# KiCad board Skayboard.kicad_pcb (continued)
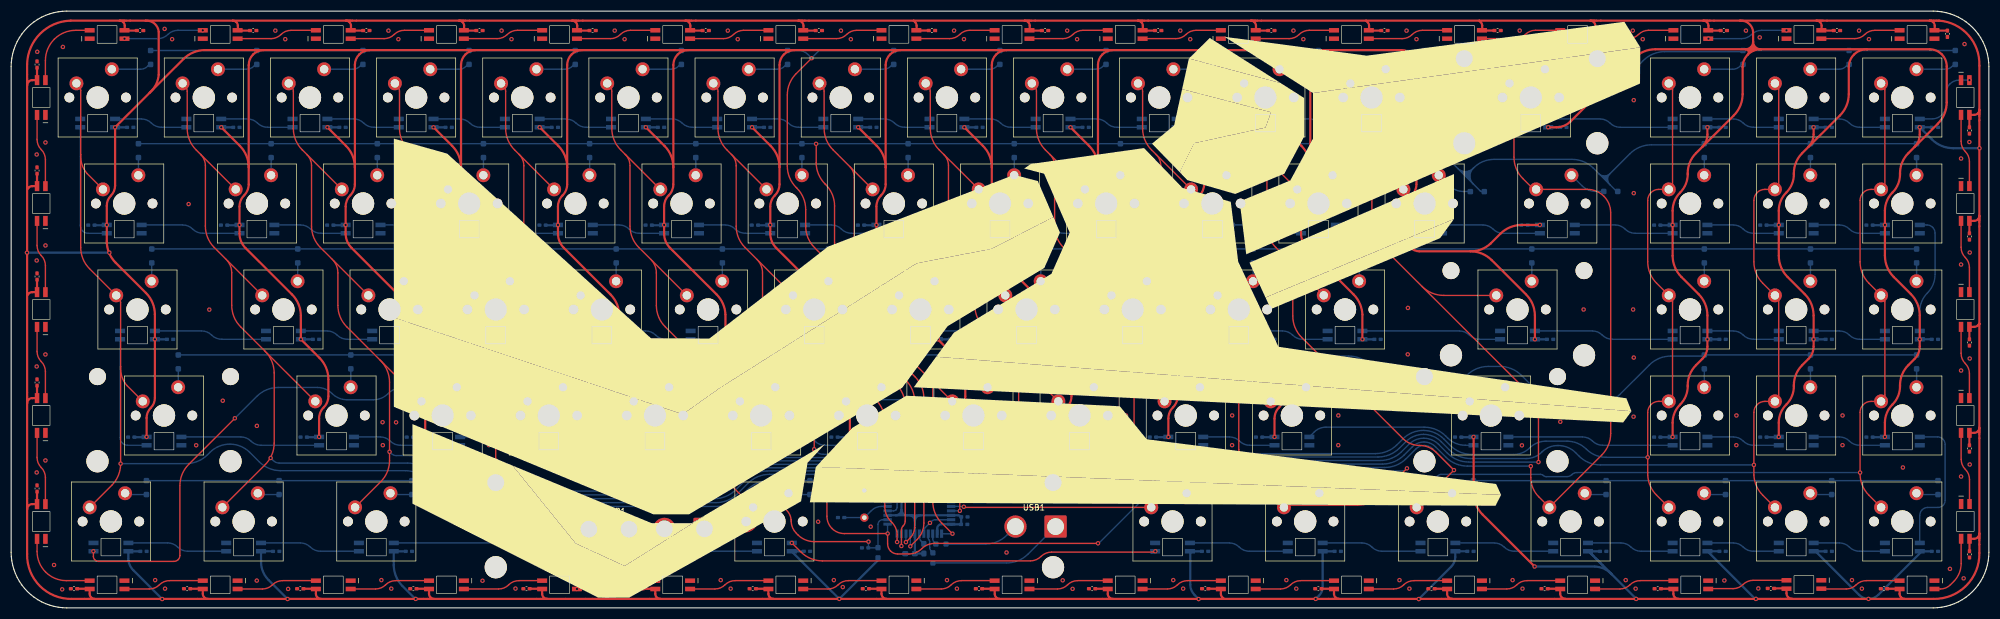
[diagram p0: board, top side]
## Routing (per net, layer and track width the routed paths; a pad name or vN(x,y) marks a point on that pad's centre or on a via; arc(x,y) is an arc through that point) (continued)
  Bottom w0.4: 174.7,68.77 172.07,68.77 arc(172.06,68.78) 172.05,68.78 172.05,68.79 ; v1(273.39,7.43) 273.41,7.44 arc(273.41,7.45) 273.42,7.46 ; v1(273.39,7.43) 284.21,7.43 arc(285.76,7.08) 287.19,6.07 ; v1(273.39,7.43) 273.38,7.44 arc(273.37,7.45) 273.35,7.46 ; 244.72,48.26 242.12,48.26 ; 162.21,9.77 C3.1 ; 162.21,9.77 arc(162.19,9.77) 162.18,9.76 ; 162.21,9.77 arc(162.19,9.77) 162.18,9.76 ; 20.66,10.17 20.66,10.17 arc(20.67,10.17) 20.67,10.16 23.27,10.16 ; 333.97,68.79 333.98,68.78 arc(333.98,68.78) 333.99,68.78 336.63,68.78 ; 206.62,48.26 204.02,48.26 ; 211.39,10.16 211.17,10.16 arc(211.17,10.17) 211.16,10.17 211.16,10.17 ; 211.39,10.16 211.81,10.16 ; 211.39,10.16 arc(211.54,10.1) 211.6,9.95 ; 74.69,30.67 72.05,30.67 arc(72.05,30.68) 72.04,30.68 72.03,30.69 ; 342.6,10.14 342.6,10.12 arc(342.59,10.09) 342.57,10.06 ; 342.6,10.14 arc(342.61,10.16) 342.62,10.16 ; 342.6,10.14 arc(342.59,10.16) 342.58,10.16 ; 168.52,48.26 165.92,48.26 ; 342.13,86.38 342.13,86.37 arc(342.14,86.37) 342.14,86.37 ; 57.75,68.79 57.75,68.78 arc(57.76,68.78) 57.77,68.77 60.4,68.77 ; 272.06,68.79 272.06,68.78 arc(272.07,68.78) 272.08,68.77 274.71,68.77 ; 295.87,68.79 295.88,68.78 arc(295.88,68.78) 295.89,68.77 298.53,68.77 ; 283.1,10.16 285.2,10.16 ; 283.1,10.16 283.1,10.16 ; 283.1,10.16 arc(283.1,10.16) 283.1,10.16 ; 47.08,10.16 47.07,10.17 arc(47.07,10.17) 47.06,10.17 44.47,10.17 ; 336.63,30.67 333.99,30.67 arc(333.98,30.68) 333.98,30.68 333.97,30.69 ; 167.28,30.69 167.29,30.68 arc(167.3,30.68) 167.3,30.67 169.94,30.67 ; 278.06,86.37 275.47,86.37 arc(275.46,86.37) 275.46,86.37 275.45,86.38 ; 273.07,48.27 273.07,48.27 arc(273.08,48.27) 273.09,48.26 275.68,48.26 ; 342.58,10.16 342.14,10.16 ; 342.58,10.16 342.62,10.16 ; 260.15,30.69 260.16,30.68 arc(260.16,30.68) 260.17,30.67 262.81,30.67 ; 231.85,68.77 229.22,68.77 arc(229.21,68.78) 229.2,68.78 229.2,68.79 ; 208.04,30.67 205.4,30.67 arc(205.4,30.68) 205.39,30.68 205.38,30.69 ; 306.64,86.37 304.04,86.37 arc(304.04,86.37) 304.03,86.37 304.03,86.38 ; 234.97,10.17 235.33,10.17 arc(235.34,10.17) 235.35,10.17 235.35,10.17 ; 18.28,86.38 18.28,86.37 arc(18.29,86.37) 18.29,86.37 20.89,86.37 ; 73.27,48.26 70.67,48.26 ; 168.43,23.04 160.63,23.04 ; 160.81,16.64 U1.42 169.99,16.64 arc(170.18,16.6) 170.35,16.49 C128.1 170.49,15.04 C127.1 168.74,15 arc(168.72,15.01) 168.7,15.02 arc(168.68,15.03) 168.65,15.04 166.98,15.04 arc(166.41,14.8) 166.18,14.24 U1.2 ; 160.81,16.64 158.74,16.64 ; 160.81,16.64 arc(160.08,16.94) 159.78,17.67 ; 211.81,10.16 213.77,10.16 ; 211.81,10.16 arc(211.66,10.1) 211.6,9.95 ; 148.23,30.69 148.24,30.68 arc(148.25,30.68) 148.25,30.67 150.89,30.67 ; 173.29,86.37 170.69,86.37 ; 111.37,48.26 108.77,48.26 ; 224.43,30.69 224.44,30.68 arc(224.45,30.68) 224.45,30.67 227.09,30.67 ; 28.03,48.26 25.44,48.26 arc(25.43,48.27) 25.42,48.27 25.42,48.27 ; 58.99,86.37 56.39,86.37 ; 191.1,68.79 191.1,68.78 arc(191.11,68.78) 191.12,68.77 193.75,68.77 ; 131.84,30.67 129.2,30.67 arc(129.2,30.68) 129.19,30.68 129.18,30.69 ; 95.85,68.79 95.85,68.78 arc(95.86,68.78) 95.87,68.77 98.5,68.77 ; 162.18,9.76 162.17,9.75 arc(162.18,9.76) 162.18,9.77 U1.7 162.18,15.67 ; 162.18,9.76 C5.2 ; C6.1 170.39,23.04 arc(170.39,23.04) 170.39,23.04 U1.34 168.68,24.88 arc(168.68,24.89) 168.68,24.89 v1(168.69,24.89) ; v1(2.84,63.84) 2.84,63.84 arc(2.85,63.84) 2.85,63.84 v1(17.62,63.84) ; 282.59,10.17 282.6,10.17 arc(282.6,10.17) 282.61,10.16 283.1,10.16 ; 250.9,68.77 248.27,68.77 arc(248.26,68.78) 248.25,68.78 248.25,68.79 ; 323.09,10.16 325.69,10.16 ; 97.09,86.37 94.49,86.37 ; 211.39,86.37 208.79,86.37 ; 114.9,68.79 114.9,68.78 arc(114.91,68.78) 114.92,68.77 117.55,68.77 ; 283.1,10.16 arc(283.1,10.16) 283.1,10.16 ; 287.19,6.07 283.1,10.16 arc(283.1,10.16) 283.1,10.16 283.1,10.16 ; 287.19,6.07 291.68,1.57 ; 317.58,68.77 314.94,68.77 arc(314.93,68.78) 314.93,68.78 314.92,68.79 ; v1(234.1,1.61) 234.73,2.24 arc(235.19,2.93) 235.35,3.75 235.35,10.16 ; 17.54,68.77 14.9,68.77 arc(14.9,68.78) 14.89,68.78 14.88,68.79 ; 235.36,10.16 C77.2 ; 235.36,10.16 arc(235.35,10.16) 235.35,10.17 ; 235.36,10.16 arc(235.35,10.16) 235.35,10.16 ; 160.63,23.04 arc(160.03,23.29) 159.78,23.89 ; 160.63,23.04 arc(160.03,22.79) 159.78,22.19 ; 295.87,30.69 295.88,30.68 arc(295.88,30.68) 295.89,30.67 298.53,30.67 ; C80.2 306.54,10.17 arc(306.54,10.17) 306.53,10.17 LED74.1 312.97,1.6 ; 188.99,30.67 186.35,30.67 arc(186.35,30.68) 186.34,30.68 186.33,30.69 ; 76.8,68.79 76.8,68.78 arc(76.81,68.78) 76.82,68.77 79.45,68.77 ; 154.24,86.37 151.64,86.37 ; 314.92,30.69 314.93,30.68 arc(314.93,30.68) 314.94,30.67 317.58,30.67 ; 159.78,22.19 159.78,23.89 ; 159.78,22.19 159.78,17.67 ; 159.78,23.89 U1.24 ; 55.64,30.67 53,30.67 arc(53,30.68) 52.99,30.68 52.98,30.69 ; v1(252.6,1.59) 258.44,7.42 arc(258.97,8.22) 259.16,9.16 LED72.1 261.29,10.17 arc(261.29,10.17) 261.3,10.17 C78.2 ; 41.35,68.77 38.72,68.77 arc(38.71,68.78) 38.7,68.78 38.7,68.79 ; 78.04,86.37 75.44,86.37 ; 246.88,86.38 246.88,86.37 arc(246.89,86.37) 246.89,86.37 249.49,86.37 ; 187.57,48.26 184.97,48.26 ; 211.6,9.95 211.6,4.15 arc(211.8,3.17) 212.35,2.34 v1(213.1,1.59) ; 342.62,10.16 344.74,10.16 ; R1.2 155.56,8.78 arc(155.52,8.58) 155.41,8.42 v1(148.6,1.61) 140.11,10.1 arc(140.1,10.12) 140.09,10.15 LED69.1 ; 54.22,48.26 51.62,48.26 ; 68.28,10.17 68.29,10.17 arc(68.29,10.17) 68.3,10.16 70.89,10.16 ; 136.6,68.77 133.97,68.77 arc(133.96,68.78) 133.95,68.78 133.95,68.79 ; 235.35,10.16 arc(235.35,10.16) 235.35,10.17 ; 142.33,10.16 139.74,10.16 arc(139.73,10.17) 139.72,10.17 139.72,10.17 ; 344.64,48.27 C56.2 ; 344.64,48.27 arc(344.64,48.27) 344.63,48.27 ; 344.64,48.27 arc(344.64,48.27) 344.64,48.27 arc(344.64,48.27) 344.63,48.27 ; 342.77,10.06 335.03,2.32 arc(334.25,1.8) 333.34,1.62 arc(332.42,1.8) 331.65,2.32 323.8,10.16 ; v1(353.22,82.62) 348.51,82.62 arc(346.43,83.03) 344.67,84.21 342.54,86.34 arc(342.53,86.36) 342.55,86.38 344.63,86.38 arc(344.64,86.37) 344.64,86.37 arc(344.65,86.36) 344.65,86.36 ; 92.32,48.26 89.72,48.26 ; 72.56,1.59 70.25,3.9 arc(69.07,5.66) 68.65,7.74 LED68.1 ; 192.34,86.37 189.74,86.37 ; 49.62,1.59 v1(49.61,1.6) 46.19,5.02 arc(45.19,6.51) 44.84,8.27 LED67.1 ; 22.03,30.69 22.03,30.68 arc(22.04,30.68) 22.05,30.67 24.68,30.67 ; 91.08,30.69 91.09,30.68 arc(91.1,30.68) 91.1,30.67 93.74,30.67 ; 159.78,17.67 arc(159.48,16.94) 158.74,16.64 ; 230.44,86.37 227.84,86.37 ; 212.8,68.77 210.17,68.77 arc(210.16,68.78) 210.15,68.78 210.15,68.79 ; LED51.1 21.03,8.92 arc(21.26,7.75) 21.92,6.77 v1(27.1,1.59) ; 116.14,86.37 113.54,86.37 ; 153,68.79 153,68.78 arc(153.01,68.78) 153.02,68.77 155.65,68.77 ; 149.47,48.26 146.87,48.26 ; 306.64,48.26 304.04,48.26 ; 39.94,86.37 37.34,86.37 ; 112.79,30.67 110.15,30.67 arc(110.15,30.68) 110.14,30.68 110.13,30.69 ; 325.69,48.26 323.09,48.26 ; 158.74,16.64 U1.14 ; 225.67,48.26 223.07,48.26 ; 135.19,86.37 132.59,86.37 ; v1(342.5,48.27) 344.63,48.27 ; 325.69,86.37 323.09,86.37 arc(323.09,86.37) 323.08,86.37 323.08,86.38 ; 130.42,48.26 127.82,48.26 ; 161.15,16.64 arc(161.88,16.33) 162.18,15.6 arc(162.49,16.33) 163.22,16.64
  vias: v1(117.18,68.82) v1(131.46,30.72) v1(242.49,48.27)
